# Altium PCB P-MT3620RDB-1-7.PcbDoc (part 3 of 4)
Units mm, origin at the board's own origin, x right, y up, seen from the top; angles counter-clockwise.
Board outline 50 x 85 mm, 4 copper layers (Component Side, Ground Plane, Power Plane, Solder Side), stack 1.63 mm thick; 262 components, 209 nets, 901 pads, 818 vias.
Unrouted connection lines stored in the file: 5.
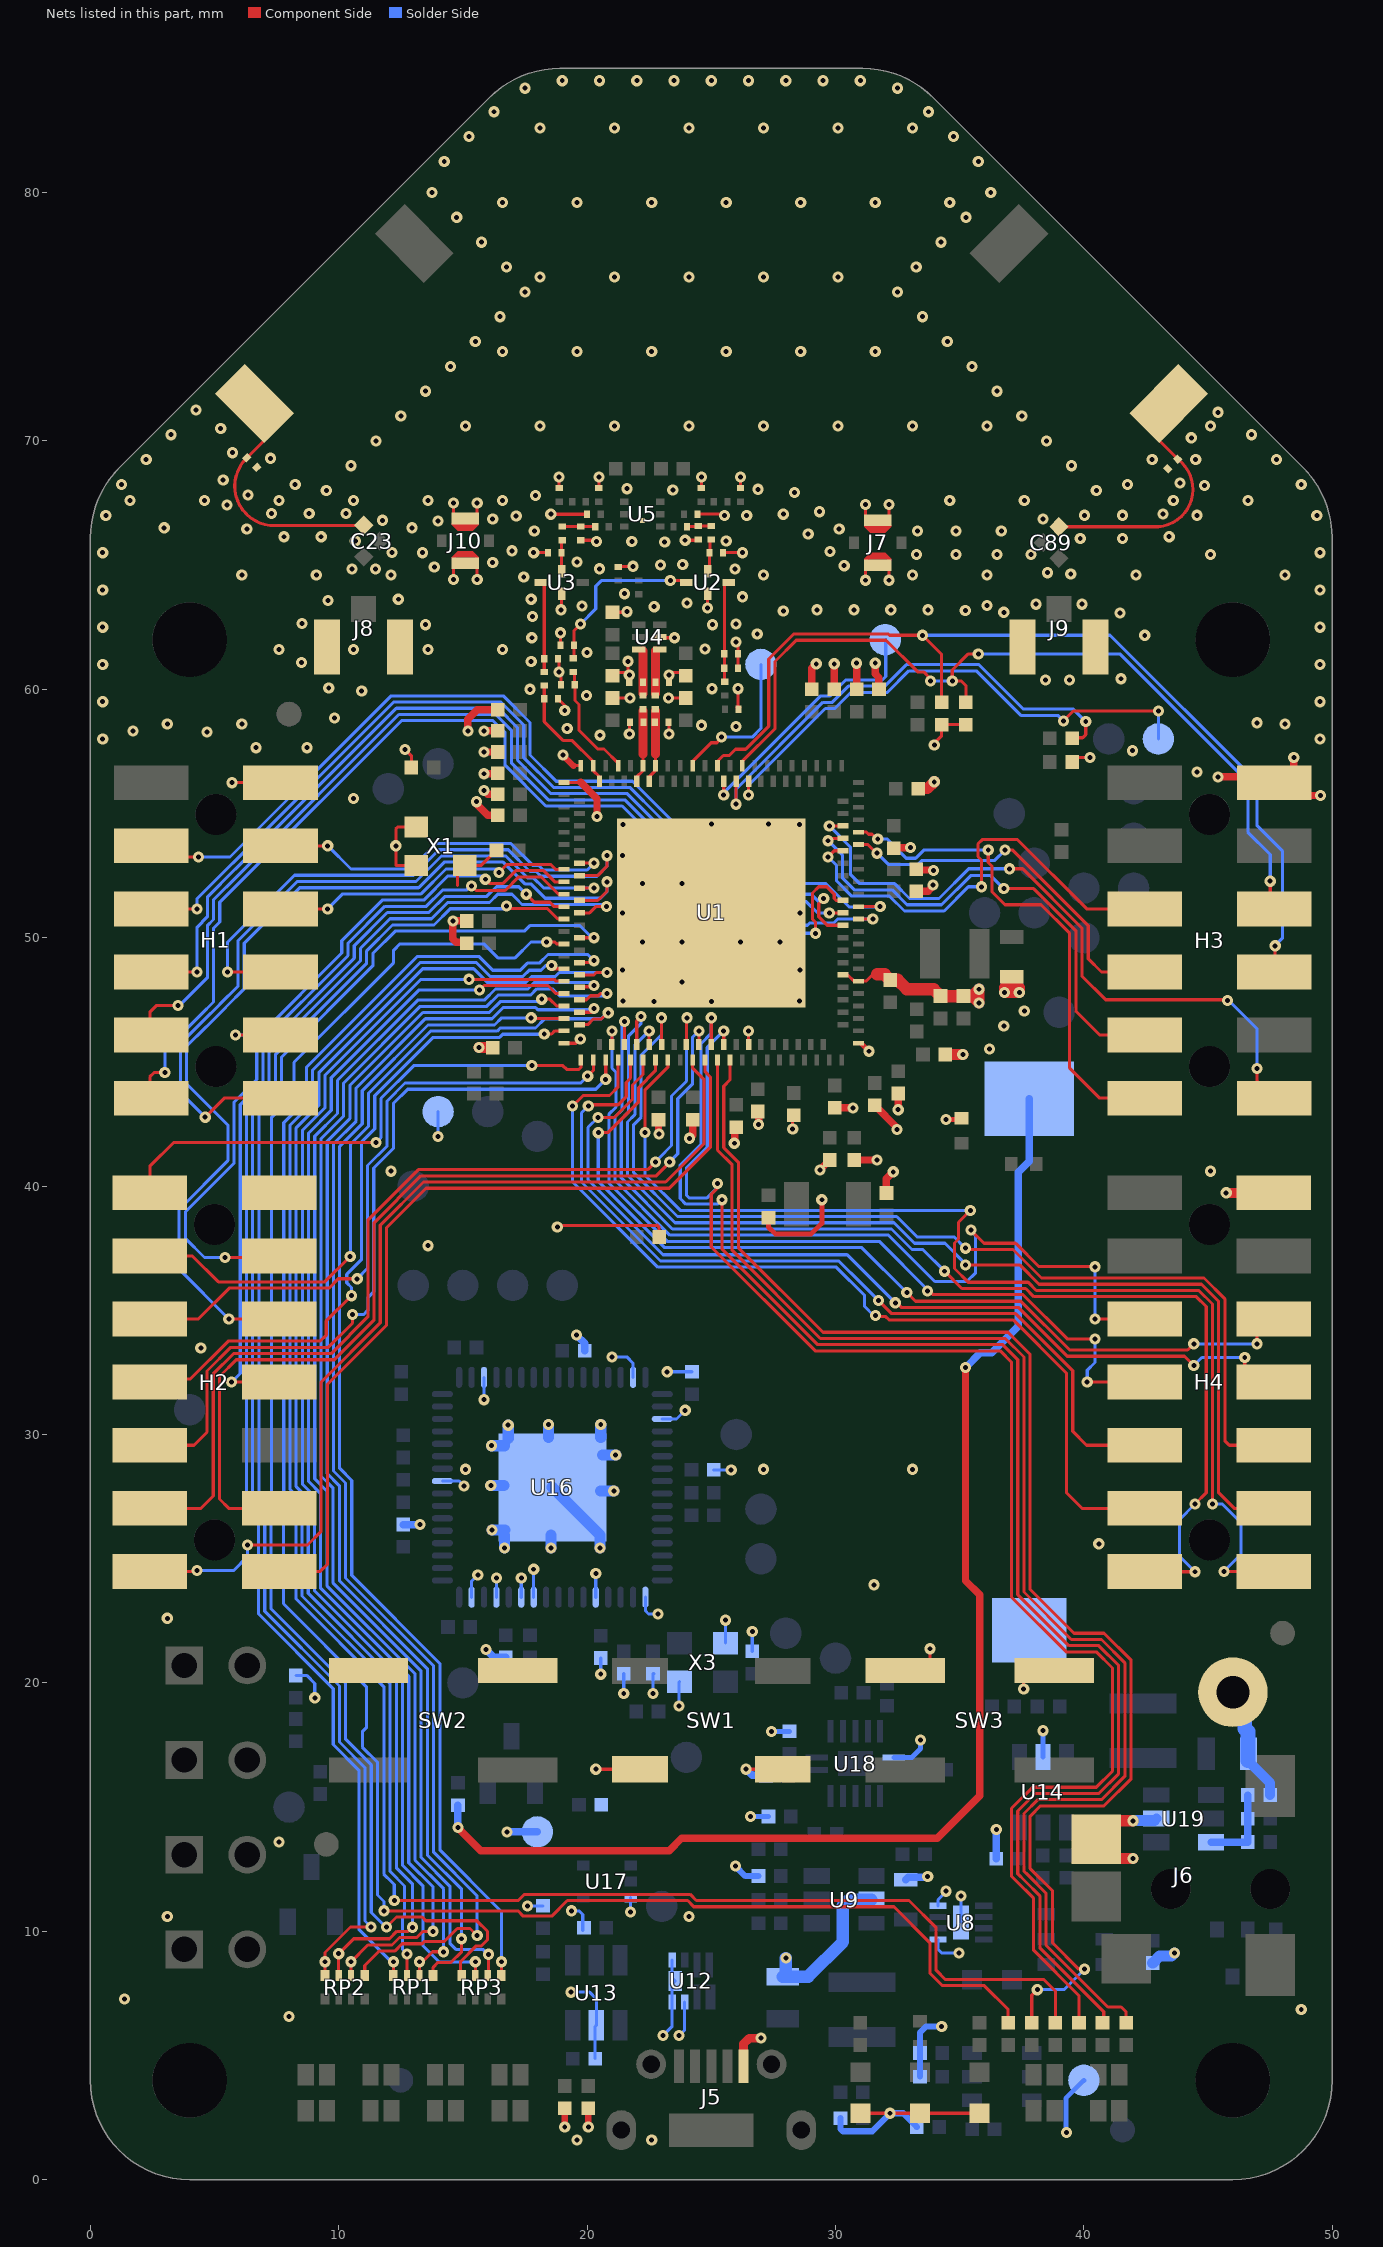
[diagram p5: the nets of this part, all layers, seen from the top]

## Via types
v1: diameter 0.45, hole 0.2, Component Side to Solder Side, tented both sides, 816 vias
v2: diameter 0.6, hole 0.3, Component Side to Solder Side, tented both sides, 2 vias

## Nets (pads, with @x,y where several pads share a name; then routed paths per layer and width w, separated by ;. In a path a pad name is that pad's centre, name@x,y a point inside that pad or via, vN(x,y) a via of type N, cw(c..) or ccw(c..) an arc to the next point about the centre after c; other vN are vias at no path point) (continued)
GND: 21.1 36.1 37.1 38.1 B1.2 C2.1 C3.1 C5.1 C6.1 C7.1 C8.1 C9.1 C10.2 C11.2 C12.1 C13.1 C14.1 C15.1 C16.1 C18.1 C19.1 C21.1 C22.1 C24.1 C25.1 C27.1 C28.1 C33.1 C34.1 C35.1 C36.1 C37.1 C38.1 C39.1 C40.1 C41.1 C42.1 C43.1 C44.1 C45.1 C46.1 C48.1 C49.1 C50.1 C53.1 C55.1 C56.1 C57.1 C58.1 C59.1 C60.1 C61.1 C62.1 C63.1 C64.1 C65.1 C67.1 C68.1 C69.1 C70.1 C71.1 C72.1 C74.1 C75.1 C76.1 C77.1 C78.1 C79.1 C80.1 C81.1 C82.1 C83.1 C84.1 C85.1 C86.1 C87.1 C88.1 C90.1 C91.1 C92.1 C96.1 C97.1 D7.1 D8.1 D10.1 GND.1 H1.2 H2.2 H3.2 H4.2 J5.5 J6.2 J7.3 J7.4 J8.2 J8.3 J9.2 J9.3 J10.3 J10.4 L5.1 L7.1 L8.1 L13.1 L14.1 R5.2 R9.1 R10.2 R11.2 R21.1 R23.1 R24.1 R25.2 R30.2 R32.2 R34.2 R38.2 R41.2 R42.1 R51.2 R56.2 R57.2 R61.2 SW1.3 SW1.4 SW2.1 SW2.3 SW3.1 SW3.3 U1.1 U1.41 U1.68 U1.83 U1.92 U1.93 U1.164 U1.165 U2.4 U3.4 U4.5 U5.7 U8.1 U8.4 U8.9 U9.2 U12.3 U12.4 U12.5 U12.9 U13.2 U14.2 U16.1 U16.5 U16.10 U16.11 U16.13 U16.15 U16.25 U16.35 U16.47 U16.51 U16.65 U17.3 U18.7 U19.2 X1.1 X1.2 X1.4 X3.2 X3.4 | length 178.2
  Component Side w0.125: v1(5.7,56.24) H1.2@7.6,56.24 ; v1(12.675,57.575) 12.925,57.325 R51.2@12.925,56.85 ; X1.1@13.125,52.9 12.3,52.9 v1(12.3,53.7) 12.3,54.381 12.369,54.45 X1.4@13.125,54.45 ; v1(14.625,64.425) J10.4@14.625,64.875 ; J10.3@14.625,67.05 v1(14.625,67.5) ; 14.775,52.1 14.775,52.6 X1.2@15.075,52.9 15.725,52.9 C43.1@16.35,53.525 ; v1(15.575,64.425) J10.4@15.575,64.875 ; J10.3@15.575,67.05 v1(15.575,67.5) ; v1(17.85,65.5) C15.1@18.3,65.5 ; v1@18.69,67.048 19.959,67.048 19.978,67.028 C91.1@20,67.05 ; v1(18.8,38.35) 18.862,38.412 22.812,38.412 22.825,38.425 22.9,38.35 R24.1@22.9,37.95 ; C8.1@18.825,59.625 19.1,59.35 v1@19.1,59.25 ; C9.1@18.825,61.225 18.875,61.175 18.875,60.575 18.95,60.5 C2.1@18.95,60.175 ; C19.1@18.875,68.1 v1(18.875,68.55) ; C3.1@18.925,61.775 v1@18.925,62.175 ; v1@18.95,63.275 v1@18.962,63.287 ; v1@18.962,63.212 U3.4@18.962,63.85 ; U1.41@19.075,45.75 19.549,45.75 v1(19.726,45.927) ; U1.1@19.075,56.25 19.75,56.25 19.838,56.163 ; 19.45,56.925 U1.164@19.75,56.925 ; C16.1@19.75,66 20.325,66 v1(20.375,65.95) ; v1(20.35,16.525) SW1.3@22.125,16.525 ; C18.1@20.475,68.1 v1(20.475,68.55) ; C78.1@21.025,59.65 v1@21.55,59.65 ; C79.1@21.025,60.55 21.15,60.675 21.7,60.675 21.65,60.725 v1(21.65,61.127) ; C14.1@21.025,63.1 v1@21.625,63.1 ; L5.1@21.25,64.925 21.275,64.95 v1(21.85,64.95) ; v1(21.7,58.2) 21.7,58.65 C10.2@21.725,58.675 ; U4.5@22.925,62.1 22.95,62.075 v1(23.525,62.075) ; C12.1@23.275,58.675 23.3,58.65 v1(23.3,58.2) ; C13.1@23.3,60.275 23.3,60.675 23.85,60.675 C81.1@23.975,60.55 ; v1@23.45,59.65 C80.1@23.975,59.65 ; v1(23.95,66) 24.45,66 C7.1@24.475,66.025 ; C92.1@24.45,67.05 25.333,67.05 v1@25.36,67.023 ; C21.1@24.6,68.1 v1(24.6,68.55) ; v1(24.85,63.275) U2.4@24.85,63.85 ; C6.1@25.475,65.5 v1(26.25,65.5) ; v1@25.6,65.925 v1(25.6,65.975) ; v1(26,61.9) 26.075,61.825 L14.1@26.075,61.425 ; L13.1@26.075,59.275 v1(26.075,60.025) ; C5.1@26.075,60.8 C5.1@26.075,60.85 L14.1@26.075,61.4 ; L13.1@26.1,59.225 L13.1@26.15,59.275 ; C22.1@26.175,68.1 v1(26.175,68.55) ; v1(26.4,16.525) SW1.4@27.875,16.525 ; U1.68@26.5,45.7 v1(26.5,46.25) ; C85.1@26.876,42.951 C85.1@26.901,42.926 ; C72.1@28.25,42.85 28.276,42.824 v1(28.276,42.302) ; U1.93@30.277,48.477 U1.93@30.3,48.5 30.5,48.5 30.75,48.25 31.225,48.25 31.45,48.475 ; D8.1@31,2.675 D10.1@33.4,2.675 D7.1@35.8,2.675 ; v1@31.209,64.365 J7.3@31.209,64.815 ; J7.4@31.209,66.99 v1(31.209,67.44) ; v1@32.159,64.365 J7.3@32.159,64.815 ; J7.4@32.159,66.99 v1(32.159,67.44) ; SW3.1@33.8,20.5 v1(33.8,21.375) ; v1(33.977,57.753) 33.977,57.827 34.275,58.125 R9.1@34.275,58.575 R23.1@35.25,58.575 ; v1(37.575,19.75) 37.575,20.063 38.012,20.5 SW3.3@38.8,20.5 ; R21.1@39.525,57.25 v1(40.25,57.25)
  Component Side w0.2: L13.1@26.075,59.275 L13.1@26.1,59.25 ; C87.1@27.3,38.725 27.3,38.35 27.575,38.075 29.024,38.075 29.45,38.501 v1(29.45,39.45) ; U1.83@31.075,45.7 31.323,45.452 31.349,45.479 v1@31.402,45.479 ; v1(34.45,42.675) R42.1@35.075,42.675
  Component Side w0.25: v1(19.025,57.35) 19.45,56.925 ; v1(19.1,2.125) R25.2@19.1,2.875 ; v1(20.05,2.125) C41.1@20.05,2.875
  Component Side w0.3: C58.1@15.15,49.825 14.725,49.825 14.6,49.95 v1(14.6,50.675) C62.1@15.15,50.675 ; v1(15.2,58.325) 15.2,58.8 15.575,59.175 C82.1@16.4,59.175 ; v1(15.55,55.475) 15.55,55.375 16,54.925 C76.1@16.4,54.925 ; v1(15.85,55.925) 16,55.775 C77.1@16.4,55.775 ; v1(15.85,56.6) C74.1@16.4,56.6 ; v1(15.85,57.475) C75.1@16.4,57.475 ; v1(15.85,58.325) C83.1@16.4,58.325 ; 19.75,56.25 20.399,55.601 v1(20.399,54.876) ; C59.1@22.875,42.675 22.875,42.128 v1(22.901,42.102) ; v1(24.125,41.925) 24.25,42.05 C64.1@24.25,42.675 ; v1@25.95,41.75 C84.1@25.95,42.325 ; v1(26.901,42.477) C85.1@26.901,42.926 ; C57.1@29.05,60 29.05,60.85 v1(29.225,61.025) ; v1(29.376,40.651) C71.1@29.775,41.05 ; C56.1@29.95,60 v1(29.95,61.025) ; C40.1@30.075,43.05 C40.1@29.975,43.15 v1(30.7,43.15) ; C65.1@30.75,41.05 v1(31.675,41.05) ; v1(30.85,61.05) C70.1@30.85,60 C70.1@30.875,60.025 ; C53.1@31.575,43.25 32.475,42.35 v1(32.475,42.275) ; v1(31.6,61.05) 31.6,60.625 31.75,60.475 C69.1@31.75,60 ; C88.1@32.05,39.725 32.05,40.3 v1(32.325,40.575) ; C61.1@32.35,53.6 32.375,53.625 v1(33.025,53.625) ; v1(32.525,43.075) C55.1@32.525,43.45 ; C67.1@33.25,51.875 33.725,51.875 v1@33.875,52.025 ; 33.55,52.725 v1@34,52.725 ; v1(45.4,56.475) 47.421,56.475 H3.2@47.657,56.239 ; H3.2@48.45,56.675 v1(48.45,57.25) ; H3.2@48.95,55.725 v1(49.525,55.725)
  Component Side w0.35: J5.5@26.3,4.575 26.3,5.475 26.525,5.7 v1(27,5.7)
  Component Side w0.4: v1(45.729,39.729) H4.2@47.65,39.729
  Component Side w0.45: v1(15.65,45.575) C63.1@16.2,45.575 ; C68.1@33.325,56 33.7,56 v1(33.975,56.275) ; C39.1@34.425,45.3 v1(35.125,45.3) ; J6.2@39.75,14.45 J6.2@40.5,13.7 ; J6.2@40.564,13.636 J6.2@40.5,13.7 ; J6.2@41.175,12.925 v1(41.975,12.925) ; J6.2@41.175,14.375 J6.2@40.5,13.7 ; J6.2@41.175,14.45 v1(41.975,14.45) ; 35.5,47.65 v1(35.775,47.925) v1(35.775,47.375) 35.5,47.65 ; v1(36.8,47.8) 36.8,48 37.4,48 v1(37.4,47.8) v1(36.8,47.8)
  Component Side w0.5: 31.675,48.525 31.975,48.525 C90.1@32.2,48.3 32.5,48.3 32.875,47.925 33.95,47.925 C50.1@34.225,47.65 C49.1@35.15,47.65 35.5,47.65
  Solder Side w0.125: C37.1@8.275,20.301 8.712,20.301 9.038,19.975 v1(9.038,19.401) ; v1(14,42) 21.1@14,43 ; U16.25@14.175,28.125 14.85,28.125 v1(15.05,27.925) ; U16.15@15.35,23.45 15.35,24.1 v1(15.6,24.35) ; v1(15.85,31.4) U16.35@15.85,32.3 ; U16.13@16.35,23.45 v1(16.35,24.225) ; U16.11@17.35,23.45 v1(17.35,24.225) ; v1@17.725,11.025 R10.2@18.225,11.025 ; U16.10@17.85,23.45 v1(17.85,24.575) ; v1(19.35,7.55) 20.101,7.55 20.375,7.276 U13.2@20.375,6.215 20.325,6.165 R11.2@20.325,4.875 ; v1(19.375,10.825) 19.675,10.825 19.825,10.675 C48.1@19.825,10.025 ; U16.5@20.35,23.45 v1(20.35,24.4) ; v1(20.55,20.35) R30.2@20.55,21 ; v1(21,33.125) 21.6,33.125 21.85,32.875 U16.47@21.85,32.3 ; v1(21.475,19.575) C44.1@21.475,20.375 ; v1(21.75,10.775) U17.3@21.75,11.35 ; U16.1@22.35,23.45 22.35,22.9 22.475,22.775 v1(22.85,22.775) ; v1(22.65,19.575) C35.1@22.65,20.375 ; C35.1@22.651,20.326 C35.1@22.7,20.375 ; U16.51@23.025,30.625 23.6,30.625 v1(23.95,30.975) ; v1(23.05,5.8) 23.425,6.175 U12.4@23.425,7.15 23.425,7.88 U12.9@23.545,8 23.425,8.12 U12.5@23.425,8.85 ; v1(23.225,32.525) C42.1@24.225,32.525 ; v1(23.7,5.8) 23.925,6.025 U12.3@23.925,7.15 ; v1(23.7,19.075) 23.7,20.025 X3.4@23.725,20.05 ; R38.2@25.1,28.575 v1(25.8,28.575) ; X3.2@25.575,21.6 v1(25.575,22.525) ; C34.1@26.65,21.275 v1(26.65,22.075) ; U8.1@34.125,9.675 34.125,9.275 34.275,9.125 v1(34.975,9.125) ; U8.4@34.125,11.025 34.125,11.265 34.45,11.59 v1(34.45,11.614) ; U8.9@35.05,10.35 v1(35.05,11.425)
  Solder Side w0.2: v1@21.4,51 38.1@23,51 ; v1(26.575,14.625) R34.2@27.3,14.625 ; v1(27.425,18.05) R32.2@28.15,18.05 ; U18.7@32.35,17 33.075,17 33.425,17.35 v1(33.425,17.7) ; U14.2@38.35,17.025 v1(38.35,18.075) ; v1(39.3,1.9) 39.275,1.925 39.275,3.275 37.1@40,4
  Solder Side w0.25: v1(25.975,12.625) 26.375,12.225 R5.2@26.9,12.225 ; R61.2@30.2,2.475 30.2,2.05 30.3,1.95 31.479,1.95 32.2,2.671 v1(32.2,2.675) 32.725,2.675 C96.1@33.275,2.125 ; R56.2@33.4,4.15 R57.2@33.4,5.1 33.4,5.923 33.642,6.165 v1(34.275,6.165)
  Solder Side w0.3: C45.1@12.6,26.375 v1(13.275,26.375) ; v1(15.925,21.35) 16.25,21.025 C36.1@16.725,21.025 ; v1(16.775,14) 36.1@18,14 ; v1(19.575,34) 19.9,33.675 C46.1@19.9,33.375 ; v1(26.4,16.525) 26.65,16.275 C86.1@27.2,16.275 ; C25.1@32.825,12.075 32.922,12.172 33.684,12.172 v1(33.713,12.201) ; C33.1@36.475,12.925 v1(36.475,14.1)
  Solder Side w0.4: v1(41.975,14.45) v1@41.985,14.46 ; U19.2@42.84,14.46 U19.2@42.918,14.537 ; GND.1@46,19.625 GND.1@46.459,19.166 ; C28.1@46.609,16.866 47.5,15.975 R41.2@47.5,15.488
  Solder Side w0.45: v1(16.125,27.95) U16.65@16.65,27.95 ; v1(16.15,29.55) U16.65@16.675,29.55 ; v1(16.175,26.15) U16.65@16.7,26.15 ; v1(16.675,25.425) U16.65@16.675,25.95 ; U16.65@16.825,29.85 v1(16.825,30.375) ; U16.65@18.45,29.875 v1(18.45,30.4) ; v1(18.55,25.425) U16.65@18.55,25.95 ; U16.65@18.6,27.875 20.525,25.95 v1(20.525,25.425) ; U16.65@20.55,27.725 v1(21.075,27.725) ; U16.65@20.55,29.875 v1(20.55,30.4) ; U16.65@20.625,29.175 v1(21.15,29.175) ; v1@41.985,14.46 U19.2@42.84,14.46 ; C24.1@42.775,8.725 43.05,9 43.525,9 v1(43.65,9.125)
  Solder Side w0.5: C27.1@27.875,8.175 28.901,8.175 30.3,9.574 30.3,11.025 30.55,11.275 U9.2@31.45,11.275 ; C27.1@28.001,8.301 v1(28.001,8.925)
  Solder Side w0.6: GND.1@46.475,18.85 46.475,18.172 46.609,18.038 C28.1@46.609,16.866
  other v1: 19.6,1.6 22.6,1.6 8,6.575 48.75,6.85 1.375,7.275 3.1,10.6 24.1,10.6 17.6,11.025 7.6,13.6 3.1,22.6 31.55,23.95 40.6,25.6 15.1,28.6 27.1,28.6 33.1,28.6 4.45,33.488 13.6,37.6 12.1,40.6 45.1,40.6 25.925,41.725 31.352,45.429 36.2,45.525 36.775,46.45 37.6,47.05 22.7,47.425 25,47.425 21.45,47.45 28.55,47.45 23.825,48.225 21.425,48.7 28.575,48.7 22.225,49.825 23.825,49.825 26.175,49.825 27.775,49.825 21.425,51 28.575,51 33.925,52.125 22.225,52.175 23.825,52.175 33.95,52.7 21.425,53.3 21.45,54.55 28.55,54.55 25,54.575 27.3,54.575 10.6,55.6 44.55,56.675 41.952,57.528 6.675,57.65 8.725,57.65 0.5,58 49.5,58 20.525,58.15 4.7,58.275 1.725,58.325 19.2,58.425 26,58.5 24.6,58.55 3.1,58.6 6.1,58.6 48.1,58.6 46.975,58.65 9.825,58.85 19.1,59.15 0.5,59.5 49.5,59.5 21.725,59.65 23.275,59.65 19.975,59.75 10.925,59.925 17.7,60 25.025,60.025 9.6,60.05 38.45,60.375 39.425,60.375 41.5,60.425 21.7,60.575 23.3,60.575 18.875,60.7 0.5,61 49.5,61 8.5,61.075 17.75,61.125 20,61.475 7.6,61.6 10.6,61.6 13.6,61.6 16.6,61.6 24.75,61.625 17.775,62.075 42.45,62.175 26.85,62.225 18.925,62.275 0.5,62.5 49.5,62.5 13.5,62.6 25.05,62.6 26,62.625 8.525,62.65 17.8,62.925 41.45,63.075 36.775,63.1 21.6,63.125 27.9,63.15 35.225,63.175 18.95,63.2 29.25,63.2 30.75,63.2 32.225,63.2 33.725,63.2 22.7,63.325 19.8,63.35 36.1,63.375 38.075,63.425 39.925,63.425 24.025,63.475 9.575,63.575 12.4,63.625 17.75,63.625 26.25,63.725 21.5,63.85 0.5,64 49.5,64 31.209,64.39 32.159,64.39 17.45,64.525 6.1,64.6 9.1,64.6 12.1,64.6 27.1,64.6 33.1,64.6 36.1,64.6 42.1,64.6 48.1,64.6 39.471,64.643 38.532,64.694 10.541,64.846 11.48,64.846 20.5,64.85 25.954,64.847 13.85,64.925 30.35,64.975 22.95,65 23.85,65.025 16.2,65.1 19.6,65.125 34.85,65.425 36.5,65.425 45.1,65.425 33.267,65.431 37.871,65.431 0.5,65.5 13.375,65.5 49.5,65.5 12.141,65.507 29.775,65.55 16.975,65.575 23.125,65.925 21.8,65.95 10.668,65.964 39.853,66.066 41.554,66.066 7.798,66.142 9.296,66.142 43.434,66.142 28.9,66.25 17.875,66.375 33.3,66.375 34.85,66.375 36.675,66.375 6.3,66.45 30.15,66.45 2.975,66.5 12.95,66.5 14,66.775 11.76,66.802 16.2,66.85 38.354,66.853 0.625,67 17.145,66.98 25.535,66.998 26.425,67 49.375,67 40.03,67.005 41.554,67.005 44.552,67.005 18.54,67.048 27.9,67.05 10.3,67.075 43.18,67.056 7.29,67.081 8.814,67.081 29.35,67.15 5.5,67.425 1.6,67.6 4.6,67.6 7.6,67.6 10.6,67.6 13.6,67.6 16.6,67.6 34.6,67.6 37.6,67.6 43.6,67.6 46.6,67.6 17.925,67.8 6.35,67.825 28.35,67.925 9.5,68 40.5,68 23.45,68.025 26.875,68.05 21.6,68.075 44.85,68.2 1.25,68.25 8.25,68.25 41.75,68.25 48.75,68.25 43.875,68.3 5.35,68.425 10.5,69 39.5,69 2.25,69.25 42.75,69.25 44.5,69.25 47.75,69.25 7.25,69.3 5.725,69.525 11.5,70 38.5,70 44.325,70.125 3.25,70.25 46.75,70.25 5.25,70.5 15.1,70.6 18.1,70.6 21.1,70.6 24.1,70.6 27.1,70.6 30.1,70.6 33.1,70.6 36.1,70.6 45.1,70.6 12.5,71 37.5,71 45.4,71.15 4.25,71.25 13.5,72 36.5,72 14.5,73 35.5,73 16.6,73.6 19.6,73.6 22.6,73.6 25.6,73.6 28.6,73.6 31.6,73.6 15.5,74 34.5,74 16.5,75 33.5,75 17.5,76 32.5,76 18.1,76.6 21.1,76.6 24.1,76.6 27.1,76.6 30.1,76.6 16.75,77 33.25,77 15.75,78 34.25,78 14.75,79 35.25,79 16.6,79.6 19.6,79.6 22.6,79.6 25.6,79.6 28.6,79.6 31.6,79.6 34.6,79.6 13.75,80 36.25,80 14.25,81.25 35.75,81.25 15.25,82.25 34.75,82.25 18.1,82.6 21.1,82.6 24.1,82.6 27.1,82.6 30.1,82.6 33.1,82.6 16.25,83.25 33.75,83.25 17.5,84.2 32.5,84.2 19,84.5 20.5,84.5 22,84.5 23.5,84.5 25,84.5 26.5,84.5 28,84.5 29.5,84.5 31,84.5
GPIO0: H1.4 U1.13 | length 14.6
  Component Side w0.125: H1.4@7.657,53.699 v1(9.557,53.699) ; U1.13@19.7,53 v1(20.275,53)
  Solder Side w0.125: v1(9.557,53.699) 10.493,52.763 12.906,52.763 13.933,53.79 16.932,53.79 17.807,52.915 18.046,52.915 18.236,52.725 20,52.725 v1(20.275,53)
GPIO1: H1.6 U1.14 | length 12.6
  Component Side w0.125: H1.6@7.657,51.159 v1(9.557,51.159) ; v1(16.451,52.628) 16.773,52.95 18.525,52.95 18.725,52.75 U1.14@19.075,52.75
  Solder Side w0.125: v1(9.557,51.159) 10.161,51.763 13.32,51.763 14.322,52.765 16.347,52.765 16.347,52.523 v1(16.451,52.628)
GPIO2: H1.8 U1.15 | length 22.9
  Component Side w0.125: v1(5.519,48.619) H1.8@7.657,48.619 ; U1.15@19.7,52.5 20.425,52.5 20.8,52.875 v1(20.8,53.3)
  Solder Side w0.125: v1(5.519,48.619) 5.519,49.809 8.222,52.513 13.009,52.513 14.037,53.54 16.829,53.54 17.704,52.665 17.942,52.665 18.132,52.475 20.4,52.475 20.8,52.875 v1(20.8,53.3)
GPIO3: H1.10 U1.16 | length 18.7
  Component Side w0.125: v1(5.846,46.079) H1.10@7.657,46.079 ; v1(15.901,52.353) 16.078,52.175 16.6,52.175 17.125,52.7 18.25,52.7 18.7,52.25 U1.16@19.075,52.25
  Solder Side w0.125: v1(5.846,46.079) 6.821,46.079 10.125,49.383 10.125,49.883 11.754,51.513 13.423,51.513 14.401,52.49 15.763,52.49 15.797,52.457 15.797,52.248 v1(15.901,52.353)
GPIO4: H1.12 U1.17 | length 28.5
  Component Side w0.125: v1(4.625,42.775) 5.389,43.539 H1.12@7.657,43.539 ; U1.17@19.7,52 v1@20.2,52
  Solder Side w0.125: v1(4.625,42.775) 3.625,43.775 3.625,45.729 4.546,46.65 4.554,46.65 5.213,47.309 5.213,47.316 5.95,48.054 5.95,49.887 8.326,52.263 13.113,52.263 14.14,53.29 16.725,53.29 17.6,52.415 17.839,52.415 18.254,52 v1@20.2,52
  other v1: 20.275,52
GPIO5: H2.4 U1.18 | length 29.1
  Component Side w0.125: v1(5.425,37.125) 7.536,37.125 H2.4@7.6,37.189 ; v1@15.325,52.05 v1@15.375,52.05 ; v1(15.351,52.078) 15.528,51.9 16.7,51.9 17.25,52.45 18.146,52.45 18.846,51.75 U1.18@19.075,51.75
  Solder Side w0.125: v1(5.425,37.125) 4.6,37.125 3.825,37.9 3.825,38.957 5.788,40.92 5.788,43.38 6.7,44.292 6.7,45.605 10.375,49.28 10.375,49.78 11.858,51.263 13.527,51.263 14.179,51.915 15.142,51.915 15.351,52.124 v1(15.351,52.078)
GPIO6: H2.6 U1.19 | length 39.1
  Component Side w0.125: v1(5.575,34.65) H2.6@7.6,34.649 H2.6@7.6,34.649 ; U1.19@19.7,51.5 20.425,51.5 20.8,51.875 v1(20.8,52.25)
  Solder Side w0.125: v1(5.575,34.65) 3.575,36.65 3.575,39.06 5.538,41.023 5.538,42.462 3.875,44.125 3.875,45.625 4.65,46.4 4.657,46.4 5.463,47.205 5.463,47.213 6.2,47.95 6.2,49.783 8.429,52.013 13.216,52.013 14.244,53.04 16.622,53.04 17.497,52.165 17.735,52.165 18.312,51.588 20.538,51.588 20.8,51.85 v1(20.8,52.25)
GPIO7: H2.8 U1.20 | length 31.2
  Component Side w0.125: v1(5.691,32.109) H2.8@7.6,32.109 ; v1@17.599,51.704 17.878,51.425 18.504,51.425 18.679,51.25 U1.20@19.075,51.25
  Solder Side w0.125: v1(5.691,32.109) 6.038,32.456 6.038,43.276 6.95,44.188 6.95,45.501 10.625,49.176 10.625,49.676 11.961,51.013 13.63,51.013 14.283,51.665 15.965,51.665 16.35,52.05 17.253,52.05 v1(17.551,51.753)
GPIO26_SCLK0_TXD0: H2.3 U1.39 | length 28.1
  Component Side w0.125: H2.3@2.4,37.189 4.111,37.189 5.156,36.144 9.444,36.144 10.464,37.163 v1(10.464,37.171) ; U1.39@19.7,46.5 20.025,46.5 20.25,46.725 20.574,46.725 20.826,46.977 v1(20.851,46.977)
  Solder Side w0.125: v1(10.464,37.171) 10.468,37.175 10.468,41.675 11.2,42.407 11.2,43.739 13.698,46.237 16.378,46.237 16.503,46.362 17.921,46.362 18.296,46.738 20.571,46.738 20.811,46.977 v1(20.851,46.977)
GPIO27_MOSI0_RTS0_CLK0: H2.7 U1.40 | length 27.3
  Component Side w0.125: H2.7@2.4,32.109 2.518,32.227 4.014,32.227 5.547,33.761 8.686,33.761 8.687,33.762 9.262,33.762 9.5,34 9.5,34.575 v1(10.513,35.588) ; v1(18.275,46.125) 18.575,46.125 18.7,46.25 U1.40@19.075,46.25
  Solder Side w0.125: v1@10.45,35.65 v1(10.513,35.588) 10.513,35.918 10.325,36.105 10.325,36.449 10.912,37.036 10.912,41.766 11.45,42.304 11.45,43.636 13.802,45.987 16.481,45.987 16.606,46.112 v1@18.275,46.112
GPIO28_MISO0_RXD0_DATA0: H2.1 U1.42 | length 21.4
  Component Side w0.125: H2.1@2.4,39.729 2.4,40.8 3.35,41.75 v1(11.5,41.75) ; v1(17.775,44.85) 19.025,44.85 19.175,44.7 19.675,44.7 19.75,44.775 U1.42@19.75,45.075
  Solder Side w0.125: v1(11.5,41.75) 11.7,41.95 11.7,43.532 13.018,44.85 v1(17.775,44.85)
GPIO29_CSA0_CTS0: H2.5 U1.43 | length 25.9
  Component Side w0.125: H2.5@2.4,34.649 4.349,34.649 5.594,35.894 9.609,35.894 9.984,36.269 10.657,36.269 v1(10.745,36.269) ; v1(20.024,44.425) 20.25,44.651 U1.43@20.25,45.075
  Solder Side w0.125: v1(10.745,36.269) 11.162,36.686 11.162,40.829 11.95,41.617 11.95,43.429 12.671,44.15 19.749,44.15 v1(20.024,44.425)
GPIO30_CSB0: H2.9 U1.45 | length 31.1
  Component Side w0.125: H2.9@2.4,29.569 4.175,29.569 4.7,30.094 4.7,32.554 5.654,33.508 9.584,33.508 10.558,34.482 v1(10.558,34.825) ; v1(20.75,44.3) U1.45@20.75,45.075